# Altium PCB acs_drv_v1_0.PcbDoc (continued)
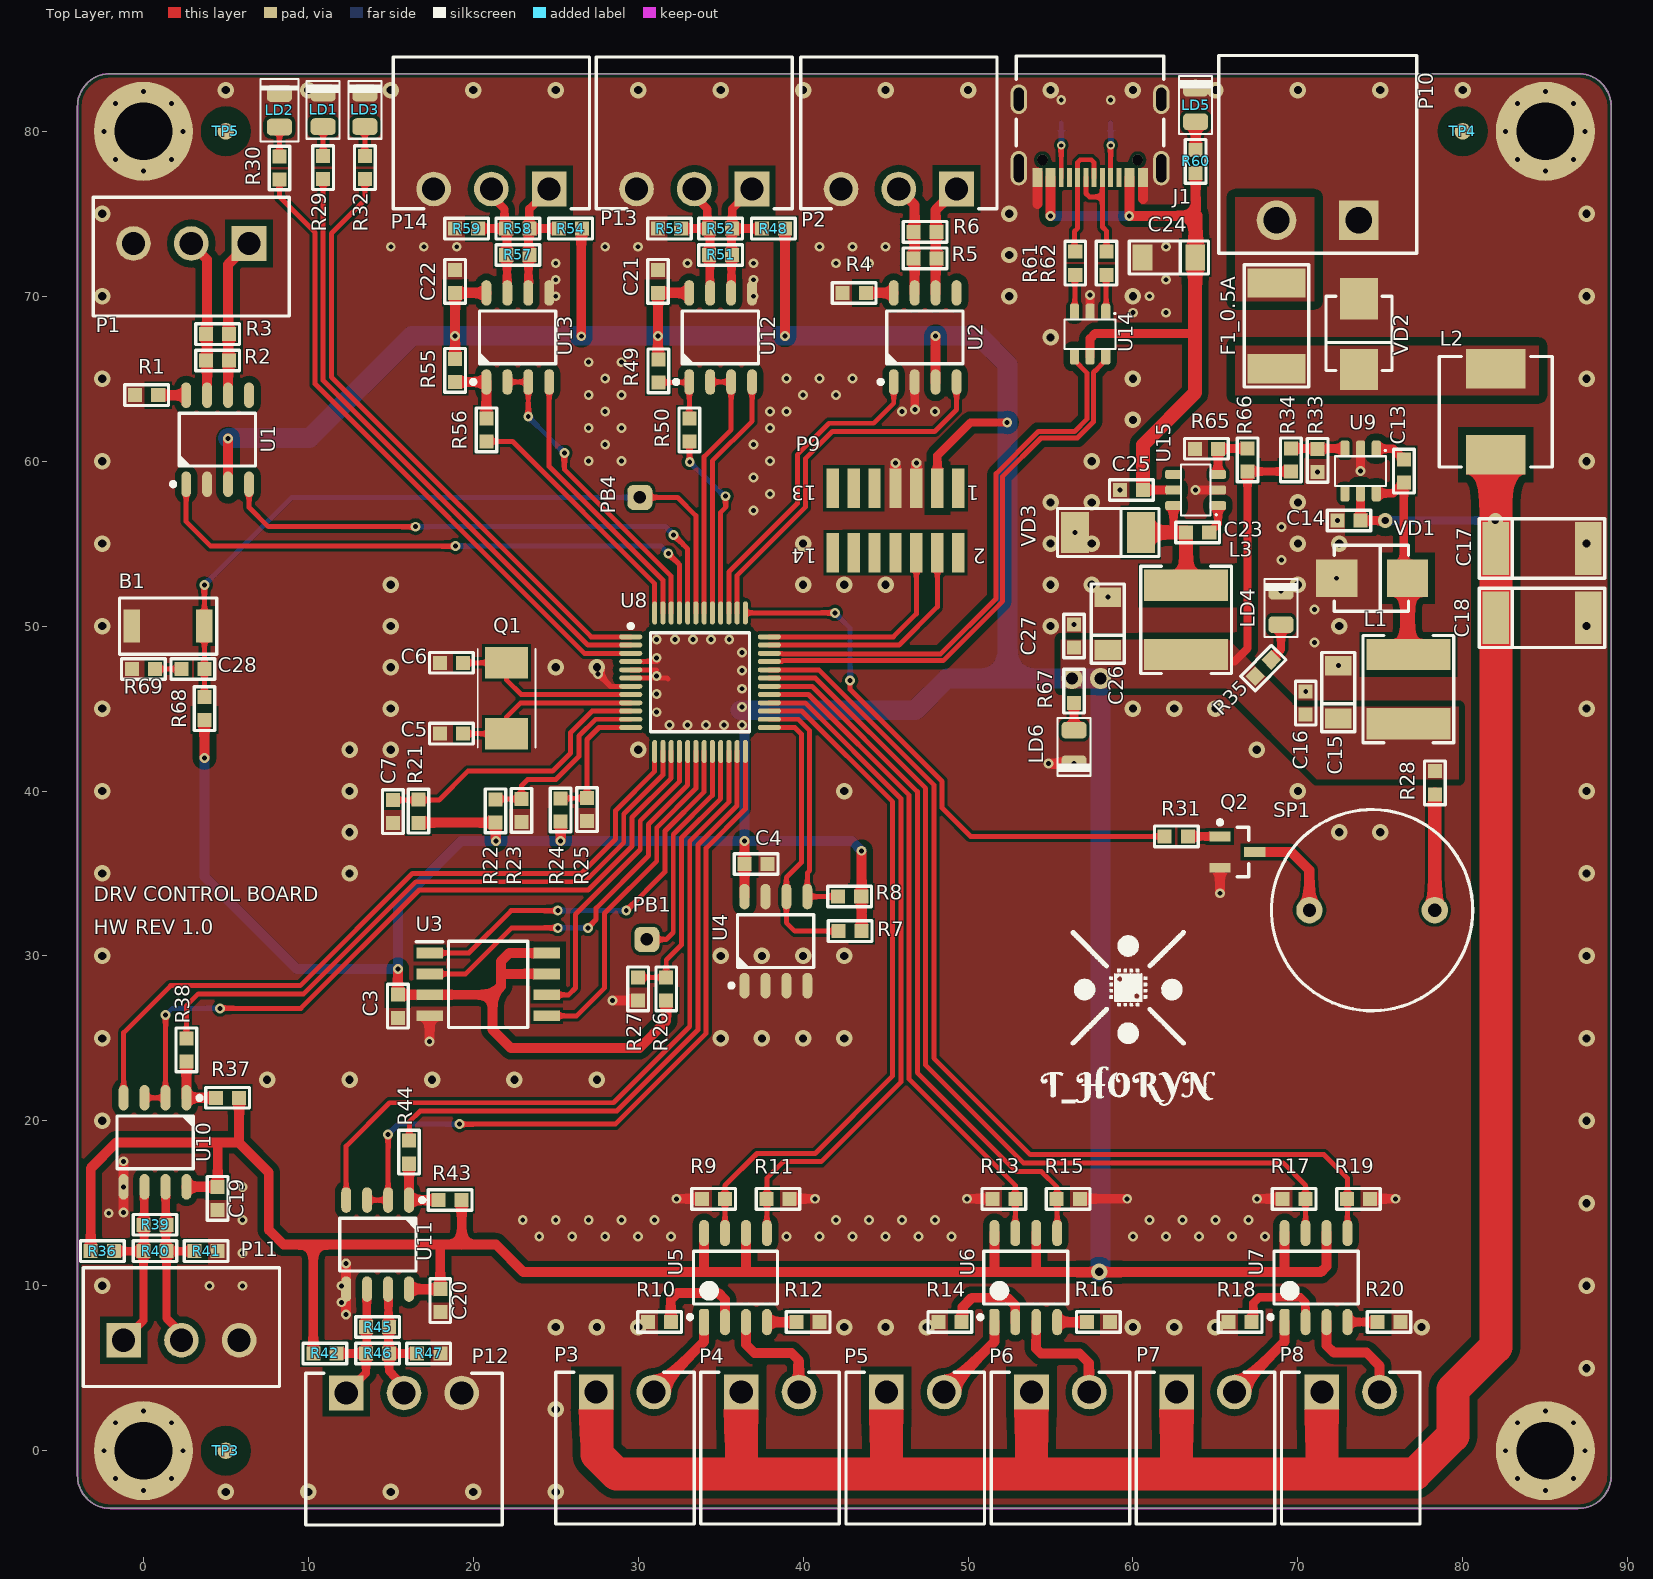
[diagram p0: Top Layer view]
## Footprints (in the part's own frame and the unit in brackets; to place one, negate y for a bottom-side part, rotate by r counter-clockwise, add the part's x,y. Pads: shape width x height; smd on the part's side, far side on the other; paste and mask are expansions set on the pad)
8-SOIC [mm] "pitch 1.27 mm"
  rrect100% 1.55x0.6 smd: 1(-2.7,1.905) 2(-2.7,0.635) 3(-2.7,-0.635) 4(-2.7,-1.905) 5(2.7,-1.905) 6(2.7,-0.635) 7(2.7,0.635) 8(2.7,1.905)
  round 0.7 on Mech1: 28(-2.395,1.8)
  silkscreen extent -2.82,-2.3 1.61,2.82, body extent -3,-2.45 3,2.45, height 1.75
"8SIOC: W25Q128" [mm] "208 mil"
  rect 1.6x0.65 smd: 1(-3.55,1.905) 2(-3.55,0.635) 3(-3.55,-0.635) 4(-3.55,-1.905) 5(3.55,-1.905) 6(3.55,-0.635) 7(3.55,0.635) 8(3.55,1.905)
  silkscreen extent -4.35,-2.62 2.4,2.62, body extent -3.9,-2.62 3.9,2.62, height 1.95
48-LQFP [mm] "QFP, 48-Leads, Body 7x7mm, Pitch 0.5mm, IPC Medium Density"
  oval 1.4x0.3 smd: 1(-4.2,2.75) 2(-4.2,2.25) 3(-4.2,1.75) 4(-4.2,1.25) 5(-4.2,0.75) 6(-4.2,0.25) 7(-4.2,-0.25) 8(-4.2,-0.75) 9(-4.2,-1.25) 10(-4.2,-1.75) 11(-4.2,-2.25) 12(-4.2,-2.75) 25(4.2,-2.75) 26(4.2,-2.25) 27(4.2,-1.75) 28(4.2,-1.25) 29(4.2,-0.75) 30(4.2,-0.25) 31(4.2,0.25) 32(4.2,0.75) 33(4.2,1.25) 34(4.2,1.75) 35(4.2,2.25) 36(4.2,2.75)
  oval 0.3x1.4 smd: 13(-2.75,-4.2) 14(-2.25,-4.2) 15(-1.75,-4.2) 16(-1.25,-4.2) 17(-0.75,-4.2) 18(-0.25,-4.2) 19(0.25,-4.2) 20(0.75,-4.2) 21(1.25,-4.2) 22(1.75,-4.2) 23(2.25,-4.2) 24(2.75,-4.2) 37(2.75,4.2) 38(2.25,4.2) 39(1.75,4.2) 40(1.25,4.2) 41(0.75,4.2) 42(0.25,4.2) 43(-0.25,4.2) 44(-0.75,4.2) 45(-1.25,4.2) 46(-1.75,4.2) 47(-2.25,4.2) 48(-2.75,4.2)
  round 0.5 on Mech1: ""(-4,4)
  silkscreen extent -4.32,-3 3,3.52, body extent -4.5,-4.5 4.5,4.5, height 1.6
62131421021 [mm] "Pin Header, pitch 1.27 mm, SMD, Vertical, dual row, 14p"
  rect 0.75x2.4 smd: 1(-3.81,-1.95) 2(-3.81,1.95) 3(-2.54,-1.95) 4(-2.54,1.95) 5(-1.27,-1.95) 6(-1.27,1.95) 7(0,-1.95) 8(0,1.95) 9(1.27,-1.95) 10(1.27,1.95) 11(2.54,-1.95) 12(2.54,1.95) 13(3.81,-1.95) 14(3.81,1.95)
  body extent -4.44,-2.55 4.44,2.55, height 5.9
629722000214 [mm] "USB TYPE C VERTICAL PLUG"
  rect 0.6x1.14 smd: A1/B12(-3.2,3.605) A4/B9(-2.4,3.605) A9/B4(2.4,3.605) A12/B1(3.2,3.605)
  rect 0.3x1.14 smd: A5(-1.25,3.605) A6(-0.25,3.605) A7(0.25,3.605) A8(1.25,3.605) B5(1.75,3.605) B6(0.75,3.605) B7(-0.75,3.605) B8(-1.75,3.605)
  round 0.65 hole 0.65 unplated: MH1(-2.89,2.535) MH2(2.89,2.535)
  oval 1x2.1 hole 0.6 slot 1.7 at 90 deg: Shell(-4.32,3.035) Shell(4.32,3.035)
  oval 1x1.8 hole 0.6 slot 1.4 at 90 deg: Shell(-4.32,-1.145) Shell(4.32,-1.145)
  silkscreen extent -4.47,-3.76 4.47,1.7, body extent -4.79,-3.76 4.79,3.95, height 3.33
ABM78000MHZD2YT [mm]
  rect 1.9x2.6 smd: 1(-2.15,0) 2(2.15,0)
  silkscreen extent -3,-1.75 3,1.75, body extent -3,-1.75 3,1.75, height 1.4
"BUT: 3x4x2 SMT" [mm]
  rect 1x2 smd: 1(-2.2,0) 2(2.2,0)
  silkscreen extent -2.95,-1.7 2.95,1.7, body extent -2.45,-1.45 2.45,1.45, height 2
"BUZ: D12mm  P7.6mm" [mm]
  round 1.6 hole 0.8: 1(-3.8,0) 2(3.8,0)
  round 0.5 on Top Overlay: ""(-6.7,0)
  round 0.5 on Mech1: ""(-5.4,0)
  silkscreen extent -6.1,-6.1 6.1,6.1, body extent -6,-6 6,6, height 7.55
"CAP: 0603" [mm]
  rect 0.85x0.85 smd: 1(-0.7,0) 2(0.7,0)
  silkscreen extent -1.33,-0.63 1.33,0.63, body extent -0.8,-0.4 0.8,0.4, height 0.3
"CAP: TANTAL-A" [mm]
  rect 1.2x1.6 smd: 1(-1.6,0) 2(1.6,0)
  silkscreen extent -2.4,-1 2.4,1, body extent -1.7,-0.84 1.7,0.84, height 1.71
"CAP: TANTAL-C" [mm]
  rect 1.6x3.2 smd: 1(-2.8,0) 2(2.8,0)
  silkscreen extent -3.8,-1.8 3.8,1.8, body extent -3.05,-1.67 3.05,1.68, height 2.7
"CON: 2P H 3.5mm" [mm]
  rect 2.1x2.1 hole 1.4: 1(-1.75,3.4)
  round 2.1 hole 1.4: 2(1.75,3.4)
  silkscreen extent -4.2,-4.6 4.2,4.6, body extent -4.2,-4.6 4.2,4.6, height 7.3
"CON: 2P H 5mm" [mm]
  rect 2.4x2.4 hole 1.6: 1(-2.5,4)
  round 2.4 hole 1.6: 2(2.5,4)
  silkscreen extent -6,-6 6,6, body extent -6,-6 6,6, height 8.55
"CON: 3P H 3.5mm" [mm]
  rect 2.1x2.1 hole 1.4: 1(-3.5,3.4)
  round 2.1 hole 1.4: 2(0,3.4) 3(3.5,3.4)
  silkscreen extent -5.95,-4.6 5.95,4.6, body extent -5.95,-4.6 5.95,4.6, height 7.3
"CON: 3P V 3.5mm" [mm]
  rect 2.1x2.1 hole 1.4: 1(3.5,0.8)
  round 2.1 hole 1.4: 2(0,0.8) 3(-3.5,0.8)
  silkscreen extent -5.95,-3.6 5.95,3.6, body extent -5.95,-3.6 5.95,3.6, height 9.3
"DIODE: SMA" [mm]
  rect 1.7x2.5 smd: 1(-2,0) 2(2,0)
  round 0.5 on Mech1: ""(2,0.9)
  silkscreen extent -3.05,-1.45 3.1,1.45, body extent -2.5,-1.35 2.5,1.35, height 2.28
"DIODE: SMB" [mm]
  rect 2.5x2.3 smd: 1(-2.15,0) 2(2.15,0)
  silkscreen extent -2.3,-2 2.2,2, body extent -2.75,-1.95 2.75,1.95, height 2.45
"FUSE: 1812" [mm]
  rect 1.78x3.5 smd: 1(-2.6,0) 2(2.6,0)
  silkscreen extent -3.7,-1.95 3.7,1.95, body extent -2.41,-1.61 2.41,1.61, height 1.32
"IND: SRP7028A" [mm]
  rect 2.4x3.6 smd: 1(0,0) 2(5.2,0)
  silkscreen extent -0.75,-3.42 5.95,3.42, body extent -0.85,-3.3 6.05,3.3, height 2.83
IND:VLS6045 [mm]
  rect 1.9x5.1 smd: 1(-2.1,0) 2(2.1,0)
  silkscreen extent -3.25,-2.75 3.25,2.75, body extent -3,-3 3,3, height 4.49
"Led 0805-Green" [mil]
  rrect50% 40x60 smd: 1(-40,0) 2(40,0)
  silkscreen extent -75,-45 75,45, body extent -40,-25 40,25, height 43
"Led 0805-Red" [mil]
  rrect50% 40x60 smd: 1(-40,0) 2(40,0)
  silkscreen extent -69,-40 69,40, body extent -40,-25 40,25, height 43
"Led 0805-Yellow" [mil]
  rrect50% 40x60 smd: 1(-40,0) 2(40,0)
  silkscreen extent -69,-40 69,40, body extent -40,-25 40,25, height 43
"RES: 0603" [mm]
  rect 0.85x0.85 smd: 1(-0.7,0) 2(0.7,0)
  silkscreen extent -1.33,-0.63 1.33,0.63, body extent -0.8,-0.4 0.8,0.4, height 0.44
"SO-8 (MOCD217)" [mm] "SOIC, 8-Leads, Body 5.1x4.2mm (max), Pitch 1.27mm, IPC Medium Density"
  rrect50% 1.6x0.6 smd: 1(-2.7,1.905)
  oval 1.6x0.6 smd: 2(-2.7,0.635) 3(-2.7,-0.635) 4(-2.7,-1.905) 5(2.7,-1.905) 6(2.7,-0.635) 7(2.7,0.635) 8(2.7,1.905)
  silkscreen extent -2.52,-2.55 1.6,2.88, body extent -2.08,-2.57 2.08,2.57, height 3.63
SOT23-6 [mm] "SOT23, 6-Leads, Body 2.9x1.3mm, Pitch 0.95mm, Lead Span 2.5mm"
  rrect50% 0.55x1 smd: 1(-0.95,-1.35) 2(0,-1.35) 3(0.95,-1.35) 4(0.95,1.35) 5(0,1.35) 6(-0.95,1.35)
  silkscreen extent -1.55,-1.3 1.55,0.9, body extent -1.4,-1.22 1.4,1.21, height 1.09
SOT23_N [mm] "SOT23, 3-Leads, Body 2.9x1.3mm, Pitch 0.95mm, Lead Span 2.3mm, IPC Medium Density"
  rect 1.3x0.6 smd: 1(-1.05,0.95) 2(-1.05,-0.95) 3(1.05,0)
  silkscreen extent -1.17,-1.5 0.7,1.92, body extent -0.7,-1.5 0.7,1.5, height 1.1
"TP: TEST POINT DIP" [mil]
  rrect50% 60x60 hole 30: 1(0,0)
"TP: TEST POINT SMD" [mm]
  round 1 smd mask+1: 1(0,0)

## Part data
B1: library part Button
C1 C2 C3 C4 C5 C6 C7 C10 C11 C12 C13 C14 C16 C19 C20 C21 C22 C23 C25 C27 C28: library part C_SMD
C8 C9 C15 C17 C18 C24 C26: library part C_TANTAL
F1_0.5A: library part FUSE
J1: "WR-USB 2.0 Type C, Receptacle, Horizontal, SMT", Manufacturer="Wurth Elektronik", Operating Temperature Max=85°C, Operating Temperature Min=-40°C, Rated Current=5A, Working Voltage=20VAC, Application="USB 2.0", Category="Input/Output Connectors", ComponentLink1Description="Website Link", ComponentLink1URL=https://www.we-online.com/redexpert/article/629722000214?ad, ComponentLink2Description="Datasheet Link", ComponentLink2URL=https://www.we-online.com/redexpert/spec/629722000214?ad, Gender=Receptacle, Interface Type="Type C", Manufacturer Part Number=629722000214, Match Code=WR-USB, Mount="Surface Mount", Number of Pins=16, Number of Ports=1, Orientation=Horizontal, Packaging="Tape and Reel"
L1 L2 L3: library part L_SMD
LD1: library part "Led 0805 KP-2012YC", "Yellow 590nm 8mcd", Price=0.09
LD2: library part "Led 0805 KP-2012SGC", "Green 565nm 15mcd", Price=0.09
LD3 LD4 LD5 LD6: library part "Led 0805 KP-2012EC", "Red  627nm 12mcd", Price=0.09
P9: "WR-PHD Pin Header, SMT, Vertical, pitch 1.27mm, 2 Row, 14P", Contact Resistance=20mO, Manufacturer="Wurth Elektronik", Operating Temperature Max=105°C, Operating Temperature Min=-40°C, Rated Current=1A, Withstanding Voltage=500V, Working Voltage=100V, Category="Board-to-Board Connectors", ComponentLink1Description="Website Link", ComponentLink1URL=https://www.we-online.com/redexpert/article/62131421021?ad, ComponentLink2Description="Datasheet Link", ComponentLink2URL=https://www.we-online.com/redexpert/spec/62131421021?ad, Gender="Pin Header", Manufacturer Part Number=62131421021, Match Code=WR-PHD, Mount="Surface Mount", Number of Pins=14, Number of Rows=2, Orientation=Vertical, Packaging="Tape and Reel", Pitch=1.27mm
PB1 PB4 TP3 TP4 TP5: library part "TEST POINT"
Q1: library part QUARTZ
Q2: "NPN Resistor-equipped Transistor", ComponentLink1Description="Manufacturer Link", ComponentLink1URL=http://www.semiconductors.philips.com/, ComponentLink2Description=Datasheet, ComponentLink2URL=http://www.semiconductors.philips.com/acrobat/datasheets/PDTC143X_SERIES_8.pdf, DatasheetVersion=20-Apr-1999, LatestRevisionDate=12-Dec-2006, LatestRevisionNote="IPC-7351 Footprint Added.", PackageDescription="3-Pin SOT-23 Package 0.95 mm Pitch, 2.3 mm Lead Span", PackageReference=SOT23, PackageVersion=May-1999, Published=17-Sep-2003, Publisher="Altium Limited"
R1 R2 R3 R4 R5 R6 R7 R8 R9 R10 R11 R12 R13 R14 R15 R16 R17 R18 R19 R20 R21 R22 R23 R24 R25 R26 R27 R28 R29 R30 R31 R32 R33 R34 R35 R36 R37 R38 R39 R40 R41 R42 R43 R44 R45 R46 R47 R48 R49 R50 R51 R52 R53 R54 R55 R56 R57 R58 R59 R60 R61 R62 R63 R64 R65 R66 R67 R68 R69: library part R_SMD
SP1: library part BUZZER
U1 U2: library part SN65HVD230
U5 U6 U7: "Dual optocouple"
U8: Manufacturer_Part_Number=stm32g0_lqfp48_t2, Copyright="Copyright (C) 2018 Accelerated Designs. All rights reserved", RefDes=RefDes, Type=DEV, Vendor=STMicroelectronics
U14: library part USB_ESD
VD1 VD2 VD3: library part DIODE_SMD

## Free pads (board coordinates)
  round 6 hole 3.5: 1(0,0) 1(0,80) 1(85,0) 1(85,80)

## Via types
v1: diameter 0.6, hole 0.3, Top Layer to Bottom Layer, tented both sides, 208 vias
v2: diameter 1, hole 0.5, Top Layer to Bottom Layer, tented both sides, 118 vias
v3: diameter 0.9, hole 0.45, Top Layer to Bottom Layer, tented both sides, 2 vias
v4: diameter 1.27, hole 0.711, Top Layer to Bottom Layer, tented both sides, 2 vias
v5: diameter 0.5, hole 0.25, Top Layer to Bottom Layer, tented both sides, 2 vias
v6: diameter 0.6, hole 0.3, Top Layer to Bottom Layer, 1 vias

## Nets (pads, with @x,y where several pads share a name; then routed paths per layer and width w, separated by ;. In a path a pad name is that pad's centre, name@x,y a point inside that pad or via, vN(x,y) a via of type N, cw(c..) or ccw(c..) an arc to the next point about the centre after c; other vN are vias at no path point)
+3.3: C1.2 C2.2 C3.1 C4.1 C8.1 C9.1 C10.2 C11.2 C12.2 C15.1 C16.2 C19.2 C20.2 C21.2 C22.2 C26.1 C27.2 L1.2 L3.2 P9.3 R7.1 R8.1 R21.1 R22.1 R24.1 R26.1 R28.1 R34.2 R35.1 R36.1 R37.1 R42.1 R43.1 R48.1 R49.1 R54.1 R55.1 R66.2 R67.1 R68.2 U1.3 U2.3 U3.3 U3.7 U3.8 U4.8 U5.6 U5.8 U6.6 U6.8 U7.6 U7.8 U8.4 U8.5 U8.6 U10.8 U11.8 U12.8 U13.8 | length 417.1
  Top Layer w0.3: U8.6 31.75,46.85 31.8,46.8 ; U8.5 31.122,47.35 ; U8.4 31.15,47.85 v1@31.2,47.9
  Top Layer w0.5: P9.3 48.14,60.34 50.15,62.35 v1(52.375,62.35) ; 66.15,47.85 66.95,48.65 R66.2 R34.2
  Top Layer w0.6: R36.1 -3.195,17.13 -1.625,18.7 4.525,18.7 ; U10.8 C19.2 4.505,18.68 4.525,18.7 ; v6(3.7,42) R68.2 ; U1.3 v1(5.135,61.385) ; R37.1 5.805,18.73 5.775,18.7 ; 7.6,13.375 7.6,16.875 5.775,18.7 ; 7.613,13.387 8.5,12.5 10.3,12.5 ; R42.1 10.3,12.5 ; v1(15.425,29.2) C3.1 21.175,27.65 ; U11.8 C20.2 18,12.45 18.05,12.5 ; R21.1 16.688,38.087 21.338,38.087 R22.1 21.375,38.075 v1(21.375,36.975) ; R55.1 v1(18.9,67.6) C22.2 U13.8 ; R43.1 19.3,12.5 ; U3.7 21.87,28.91 21.675,29.105 ; U3.8 22.18,30.18 21.675,29.675 21.675,29.105 ; v1(25.3,36.975) R24.1 ; v1(26.55,67.575) 26.55,74.05 R54.1 ; R49.1@31.2,66.2 v1(31.2,67.6) C21.2 U12.8 ; R26.1 31.7,26.05 30.075,24.425 22.275,24.425 21.175,25.525 21.175,27.65 ; U5.8 33.995,10.92 33.9,10.825 ; U4.8 v1(36.445,36.97) v1@36.45,36.975 ; U5.6 36.535,10.865 36.575,10.825 ; v1(38.9,67.6) R48.1 ; R7.1 v1@43.55,36.275 ; U2.3 v1(48.035,67.585) ; U6.8 51.595,10.905 51.675,10.825 ; U6.6 54.135,10.835 54.125,10.825 ; U7.8 69.195,10.945 69.075,10.825 ; U7.6 71.735,11.176 71.384,10.825 69.075,10.825 ; 4.525,18.7 5.775,18.7 ; 10.3,12.5 18.05,12.5 ; 18.05,12.5 19.3,12.5 ; 19.3,12.5 21.375,12.5 23.05,10.825 33.9,10.825 ; 21.175,27.65 21.675,28.15 21.675,29.105 ; 33.9,10.825 36.575,10.825 ; 36.575,10.825 51.675,10.825 ; 51.675,10.825 54.125,10.825 ; 54.125,10.825 69.075,10.825
  Bottom Layer w0.6: v6(3.7,42) 3.7,34.8 9.3,29.2 v1(15.425,29.2) 15.425,33.125 19.27,36.97 v1(36.445,36.97) ; v1(36.3,44) 36.445,43.855 v1(36.445,36.97) ; v1(43.55,36.375) 42.955,36.97 v1(36.445,36.97)
  Bottom Layer w1.2: v1@5.135,61.4 10.075,61.4 16.275,67.6 50.65,67.6 52.4,65.85 52.4,46.825 ; v1@36.2,44.9 46.8,44.9 48.725,46.825 52.4,46.825 ; v2(57.95,10.85) 58.025,10.925 v4(58.025,46.825) v4(56.3,46.825) 52.4,46.825
  other v1: 31.9,44 33,44 34.1,44 35.2,44 31.122,44.778 36.3,45.1 31.122,45.878 36.3,46.2 31.122,46.978 36.3,47.3 31.122,48.078 36.3,48.4 31.122,49.178 32.222,49.178 33.322,49.178 34.422,49.178 35.522,49.178
A_drv_az: P11.1 R36.2 R39.1 R40.1 U10.6 | length 11.6
  Top Layer w0.5: R36.2 R40.1 ; P11.1 0.005,7.9 R40.1 ; U10.6 0.051,15.981 0.051,12.146 R40.1
A_drv_el: P12.1 R42.2 R45.1 R46.1 U11.6 | length 8.6
  Top Layer w0.5: R42.2 R46.1 ; P12.1 13.5,4.7 R46.1 ; U11.6 13.546,9.781 13.546,5.946 R46.1
A_drv_pol: P13.1 R48.2 R51.1 R52.1 U12.6 | length 8.6
  Top Layer w0.5: U12.6 35.654,70.219 35.654,74.054 R52.1 ; P13.1 35.7,75.3 R52.1 ; R48.2 R52.1
A_rs_res: P14.1 R54.2 R57.1 R58.1 U13.6 | length 8.6
  Top Layer w0.5: U13.6 23.354,70.219 23.354,74.054 R58.1 ; P14.1 23.4,75.3 R58.1 ; R54.2 R58.1
ADDR_0: R22.2 R23.1 U8.11 | length 11.4
  Top Layer w0.3: R22.2 21.363,39.512 22.913,39.512 R23.1 22.925,40.325 23.3,40.7 25.007,40.7 26.4,42.093 26.4,43.332 27.418,44.35 U8.11
ADDR_1: R24.2 R25.1 U8.12 | length 8.1
  Top Layer w0.3: R24.2 25.313,39.562 26.888,39.562 R25.1 26.9,43.125 27.625,43.85 U8.12
ADDR_2: R26.2 R27.1 U8.21 | length 16.8
  Top Layer w0.3: R27.1 R26.2 31.7,29.75 32.625,30.675 32.625,37.157 35,39.532 U8.21
B_drv_az: P11.2 R39.2 R40.2 R41.1 U10.7 | length 11.4
  Top Layer w0.5: U10.7 1.359,15.981 1.359,12.146 R40.2 ; P11.2 2.305,7.133 1.405,8.033 R40.2 ; R41.1 R40.2
B_drv_el: P12.2 R45.2 R46.2 R47.1 U11.7 | length 8.4
  Top Layer w0.5: U11.7 14.867,9.767 14.867,5.933 R46.2 ; P12.2 15.8,3.933 14.9,4.833 R46.2 ; R47.1 R46.2
B_drv_pol: P13.2 R51.2 R52.2 R53.1 U12.7 | length 8.4
  Top Layer w0.5: R53.1 R52.2 ; P13.2 33.4,76.067 34.192,75.275 34.192,74.208 R52.2 ; U12.7 34.346,70.219 34.346,74.054 R52.2
B_rs_res: P14.2 R57.2 R58.2 R59.1 U13.7 | length 8.4
  Top Layer w0.5: R59.1 R58.2 ; P14.2 21.1,76.067 21.892,75.275 21.892,74.208 R58.2 ; U13.7 22.046,70.219 22.046,74.054 R58.2
BOOT_BTN: B1.1 C28.2 PB4.1 R68.1 U8.43 | length 45.2
  Top Layer w0.3: R68.1 C28.2 B1.1 v1(3.7,52.5) ; PB4.1 32.4,57.8 33.5,56.7 U8.43
  Bottom Layer w0.3: v1(3.7,52.5) 9,57.8 PB4.1
BUZZ: R31.2 U8.37 | length 34.2
  Top Layer w0.3: U8.37 v1(41.925,50.8) ; v1(42.85,46.7) 42.85,46.157 48.425,40.582 48.425,38.975 50.15,37.25 R31.2
  Bottom Layer w0.3: v1(41.925,50.8) 42.85,49.875 v1(42.85,46.7)
CAN1_RX: U2.4 U8.38 | length 23.1
  Top Layer w0.3: U8.38 36,53.075 40.15,57.225 40.15,60.175 41.775,61.8 47.975,61.8 49.305,63.13 U2.4
CAN1_TX: U2.1 U8.39 | length 19.7
  Top Layer w0.3: U8.39 35.5,53.282 39.65,57.432 39.65,60.382 41.568,62.3 44.275,62.3 45.495,63.52 U2.1
CAN2_RX: U1.4 U8.44 | length 32.9
  Top Layer w0.3: U1.4 6.405,57.195 7.575,56.025 v1(16.5,56.025) ; v1(32.15,55.525) 33,54.675 U8.44
  Bottom Layer w0.3: v1(16.5,56.025) 31.65,56.025 v1(32.15,55.525)
CAN2_TX: U1.1 U8.45 | length 36.2
  Top Layer w0.3: U1.1 2.595,56.33 4.075,54.85 v1(18.925,54.85) ; v1(31.825,54.4) 32.5,53.725 U8.45
  Bottom Layer w0.3: v1(18.925,54.85) 31.375,54.85 v1(31.825,54.4)
CANH_can_res: P1.2 R2.1 R3.1 U1.7 | length 9.6
  Top Layer w0.6: P1.2 3.865,72.235 U1.7
CANH_connection: P2.2 R5.1 R6.1 U2.7 | length 6.7
  Top Layer w0.6: P2.2 46.765,75.535 U2.7
CANL_can_res: P1.1 R2.2 R3.2 U1.6 | length 9.7
  Top Layer w0.6: U1.6 5.135,71.935 P1.1
CANL_connection: P2.1 R5.2 R6.2 U2.6 | length 6.8
  Top Layer w0.6: U2.6 48.035,75.235 P2.1
CS_drv_az: U8.15 U10.2 U10.3 | length 45.5
  Top Layer w0.3: U10.3 U10.2 1.34,26.415 v1(1.35,26.425) ; v1(4.65,26.825) 9.55,26.825 16.725,34 26.964,34 29.625,36.661 29.625,38.4 32,40.775 U8.15
  Bottom Layer w0.3: v1(1.35,26.425) 1.75,26.825 v1(4.65,26.825)
CS_drv_el: U8.24 U11.2 U11.3 | length 45.1
  Top Layer w0.3: U11.3 U11.2 v1(14.835,19.185) ; v1(19.175,19.8) 28.614,19.8 34.125,25.311 34.125,36.536 36.5,38.911 U8.24
  Bottom Layer w0.3: v1@14.85,19.2 15.45,19.8 v1(19.175,19.8)
CS_drv_pol: U8.42 U12.2 U12.3 | length 15.9
  Top Layer w0.3: U8.42 34,60.275 35.635,61.91 U12.3 U12.2
CS_rs_res: U8.46 U13.2 U13.3 | length 18.9
  Top Layer w0.3: U13.2 U13.3 v1(23.335,62.715) ; v1(25.525,60.5) 25.525,59.5 32,53.025 U8.46
  Bottom Layer w0.3: v1(23.335,62.715) 23.335,62.69 v1(25.525,60.5)
D_N: U8.33 U14.6 | length 34.4
  Top Layer w0.3: U8.33 38.707,47.85 38.757,47.9 48.491,47.9 52.1,51.509 52.1,59.075 54.425,61.4 56.625,61.4 57.6,62.375 57.6,65.375 57.725,65.5 57.739,65.5 58.025,65.786 58.025,65.8 58.35,66.125 U14.6
D_P: U8.34 U14.4 | length 33.7
  Top Layer w0.3: U8.34 38.707,48.35 38.757,48.3 48.325,48.3 51.7,51.675 51.7,59.241 54.259,61.8 56.459,61.8 57.2,62.541 57.2,65.361 56.775,65.786 56.775,65.8 56.45,66.125 U14.4
Fid_0: TP3.1
Fid_1: TP4.1
Fid_2: TP5.1
GND: B1.2 C1.1 C2.1 C3.2 C4.2 C5.1 C6.1 C7.1 C8.2 C9.2 C10.1 C11.1 C12.1 C14.1 C15.2 C16.1 C17.2 C18.2 C19.1 C20.1 C21.1 C22.1 C24.2 C25.1 C26.2 C27.1 J1.A1/B12 J1.A12/B1 J1.Shell LD1.2 LD2.2 LD3.2 LD4.2 LD5.2 LD6.2 P1.3 P2.3 P9.5 P9.7 P10.1 P11.3 P12.3 P13.3 P14.3 pad.1 Q2.2 R1.1 R4.1 R9.2 R10.2 R11.2 R12.2 R13.2 R14.2 R15.2 R16.2 R17.2 R18.2 R19.2 R20.2 R23.2 R25.2 R27.2 R33.1 R41.2 R47.2 R53.2 R59.2 R63.2 R64.2 R65.1 R69.1 U1.2 U2.2 U3.4 U4.1 U4.2 U4.3 U4.4 U4.7 U8.7 U9.2 U10.5 U11.5 U12.5 U13.5 U14.2 U15.2 VD1.1 VD2.1 VD3.1 | length 37.3
  Top Layer w0.3: v1(27.571,47.1) 28.321,46.35 U8.7
  Top Layer w0.5: U2.2 46.765,63.135 v1(46.775,63.125)
  Top Layer w0.55: U14.2 v1(57.4,70.075) ; v1(63.8,58.25) U15.2 ; v1(73.8,59.4) U9.2
  Top Layer w0.6: v1(-1.2,14.45) v1(-1.2,16) v1(-1.2,17.55) ; v1(12.295,8.25) U11.5 v1(12.295,11.35) ; v1(17.35,24.82) U3.4 ; v1(28.45,27.3) R27.2 ; v1(32.325,15.275) R9.2 ; R11.2 v1(40.725,15.275) ; P9.7 v1(45.6,59.9) ; P9.5 v1(46.87,59.9) ; v1(49.925,15.275) R13.2 ; 54.2,75.6 J1.A12/B1 J1.A12/B1@54.2,77.5 ; v1(54.875,41.659) v1(56.425,41.659) ; R15.2 v1(59.65,15.275) ; 60.6,75.9 60.6,76 J1.A1/B12 J1.A1/B12@60.6,77.5 ; v1(65.275,33.8) Q2.2 ; v1(67.525,15.275) R17.2 ; R19.2 v1(75.925,15.275)
  other v1: 0,-2.4 85,-2.4 -1.697,-1.697 1.697,-1.697 83.303,-1.697 86.697,-1.697 -2.4,0 2.4,0 82.6,0 87.4,0 -1.697,1.697 1.697,1.697 83.303,1.697 86.697,1.697 0,2.4 85,2.4 12,9 4,10 6,10 12,10 6,12 24,13 26,13 28,13 30,13 32,13 39,13 41,13 43,13 45,13 47,13 49,13 60,13 62,13 64,13 66,13 68,13 6,14 23,14 25,14 27,14 29,14 31,14 42,14 44,14 46,14 48,14 61,14 63,14 65,14 67,14 -2.1,14.4 6,16 70.475,46.025 72.45,47.6 71,49 56.425,50.1 71,51 58.475,51.75 68.975,52.116 72.35,52.9 69,54 56.475,55.675 69,56 72.4,56.4 37,57 38,58 59.2,58.25 37,59 71.2,59.35 27,60 29,60 38,60 28,61 37,61 27,62 29,62 38,62 28,63 38,63 39,63 46,63 48,63 27,64 29,64 40,64 42,64 28,65 39,65 41,65 43,65 27,66 29,66 60,69 62,69 25,70 37,70 61,70 25,71 37,71 62,71 25,72 33,72 37,72 42,72 44,72 15,73 17,73 19,73 28,73 30,73 41,73 43,73 45,73 62,73 0,77.6 85,77.6 -1.697,78.303 1.697,78.303 83.303,78.303 86.697,78.303 -2.4,80 2.4,80 82.6,80 87.4,80 -1.697,81.697 1.697,81.697 83.303,81.697 86.697,81.697 55.65,81.9 58.65,81.9 0,82.4 85,82.4 63.8,82.832
  other v2: 5,-2.5 10,-2.5 15,-2.5 20,-2.5 25,-2.5 25,2.5 87.5,5 25,7.5 27.5,7.5 30,7.5 42.5,7.5 45,7.5 47.5,7.5 60,7.5 62.5,7.5 65,7.5 77.5,7.5 -2.5,10 87.5,10 87.5,15 -2.5,20 87.5,20 7.5,22.5 12.5,22.5 17.5,22.5 22.5,22.5 27.5,22.5 -2.5,25 35,25 37.5,25 40,25 42.5,25 87.5,25 -2.5,30 35,30 37.5,30 40,30 42.5,30 87.5,30 -2.5,35 12.5,35 87.5,35 12.5,37.5 72.5,37.5 75,37.5 -2.5,40 12.5,40 42.5,40 70,40 87.5,40 12.5,42.5 15,42.5 30,42.5 67.5,42.5 -2.5,45 15,45 60,45 62.5,45 65,45 87.5,45 15,47.5 25,47.5 27.5,47.5 -2.5,50 15,50 55,50 72.5,50 87.5,50 15,52.5 40,52.5 42.5,52.5 45,52.5 55,52.5 57.5,52.5 70,52.5 -2.5,55 40,55 55,55 57.5,55 70,55 72.5,55 87.5,55 55,57.5 57.5,57.5 70,57.5 -2.5,60 57.5,60 87.5,60 60,62.5 -2.5,65 60,65 87.5,65 55,67.5 -2.5,70 52.5,70 60,70 87.5,70 52.5,72.5 -2.5,75 52.5,75 87.5,75 5,82.5 10,82.5 15,82.5 20,82.5 25,82.5 30,82.5 35,82.5 40,82.5 45,82.5 50,82.5 55,82.5 60,82.5 65,82.5 70,82.5 75,82.5 80,82.5
I2C_SCL: R7.2 U4.6 U8.25 | length 17.3
  Top Layer w0.3: U8.25 39.5,43.85 39.9,43.45 39.9,35.675 38.985,34.76 U4.6 38.985,32.015 39.5,31.5 R7.2
I2C_SDA: R8.2 U4.5 U8.26 | length 14.7
  Top Layer w0.3: U8.26 39.707,44.35 40.4,43.657 40.4,35.175 40.255,35.03 U4.5 R8.2
LED_ERROR: R32.2 U8.1 | length 37.5
  Top Layer w0.3: R32.2 13.425,75.825 13.287,75.687 11.4,73.8 11.4,65.1 27.15,49.35 U8.1
LED_OK: R30.2 U8.3 | length 39.3
  Top Layer w0.3: R30.2@8.2,77.1 R30.2@8.25,77.05 ; R30.2 R30.2@8.25,77.05 ; U8.3 26.736,48.35 10.4,64.686 10.4,73.875 8.25,76.025 R30.2@8.25,77.05
LED_PROCESS: R29.2 U8.2 | length 37.5
  Top Layer w0.3: R29.2 10.9,64.893 26.943,48.85 U8.2
LS0: R9.1 U5.7 U8.27 | length 42.2
  Top Layer w0.3: U5.7 35.265,16.09 37.2,18.025 40.725,18.025 45.425,22.725 45.425,39.339 39.914,44.85 U8.27
LS0_ls_el: R13.1 U6.7 U8.29 | length 40.2
  Top Layer w0.3: U8.29 40.328,45.85 46.425,39.753 46.425,22.53 52.865,16.09 U6.7
LS0_ls_pol: R17.1 U7.7 U8.31 | length 58
  Top Layer w0.3: U8.31 40.743,46.85 47.425,40.168 47.425,23.382 53.357,17.45 69.105,17.45 70.465,16.09 U7.7
LS1: R11.1 U5.5 U8.28 | length 41.4
  Top Layer w0.3: U5.5 37.805,16.53 38.8,17.525 41.1,17.525 45.925,22.35 45.925,39.546 40.121,45.35 U8.28
LS1_ls_el: R15.1 U6.5 U8.30 | length 42.8
  Top Layer w0.3: U8.30 40.536,46.35 46.925,39.961 46.925,22.925 52.925,16.925 54.45,16.925 55.405,15.97 U6.5
LS1_ls_pol: R19.1 U7.5 U8.32 | length 60.9
  Top Layer w0.3: U8.32 40.95,47.35 47.925,40.375 47.925,23.8 53.775,17.95 71.585,17.95 73.005,16.53 U7.5
NetC5_2: C5.2 Q1.2 U8.9 | length 11.6
  Top Layer w0.3: C5.2 Q1.2 22.025,44.5 22.875,45.35 U8.9
NetC6_2: C6.2 Q1.1 U8.8 | length 11.6
  Top Layer w0.3: C6.2 Q1.1 22.025,46.725 22.9,45.85 U8.8
NetC7_2: C7.2 R21.2 U8.10 | length 17.4
  Top Layer w0.3: C7.2 17.925,39.45 19.675,41.2 24.8,41.2 25.9,42.3 25.9,43.539 27.211,44.85 U8.10
NetC13_1: C13.1 L1.1 U9.6 VD1.2 | length 12.5
  Top Layer w0.5: U9.6 75.775,58.05 C13.1 76.425,53.125 VD1.2
  Top Layer w0.9: L1.1@76.45,48.3 76.65,48.5 VD1.2
NetC13_2: C13.2 U9.1 | length 1.9
  Top Layer w0.5: U9.1 75.775,60.75 C13.2
NetC23_1: C23.1 L3.1 U15.6 VD3.2 | length 8.2
  Top Layer w0.5: U15.6 62.45,55.85 63.05,55.85 C23.1
  Top Layer w0.85: VD3.2 C23.1 L3.1
NetC23_2: C23.2 U15.1 | length 1.8
  Top Layer w0.5: C23.2 65.15,56.2 U15.1
NetC28_1: C28.1 R69.2 | length 1.6
  Top Layer w0.3: R69.2 C28.1
NetF1_2: F1_0.5A.2 P10.2
NetJ1_A5: J1.A5 R64.1 | length 3.3
  Top Layer w0.3: J1.A5 v5(58.65,79.15)
  Bottom Layer w0.3: v5(58.65,79.15) R64.1
NetJ1_A6: J1.A6 J1.B6 R61.2 | length 7.6
  Top Layer w0.3: R61.2 56.45,72.75 56.45,73.925 56.65,74.125 J1.B6 56.65,78.125 56.8,78.275 57.475,78.275 57.65,78.1 J1.A6
NetJ1_A7: J1.A7 J1.B7 R62.2 | length 6.7
  Top Layer w0.3: J1.A7 57.15,76.225 57.35,76.025 58.15,76.025 ; J1.B7 58.15,76.025 ; R62.2 58.4,73.95 58.15,74.2 58.15,76.025
NetJ1_B5: J1.B5 R63.1 | length 3.3
  Top Layer w0.3: J1.B5 v5(55.65,79.15)
  Bottom Layer w0.3: v5(55.65,79.15) R63.1
NetLD1_1: LD1.1 R29.1 | length 1.8
  Top Layer w0.3: R29.1 LD1.1
NetLD2_1: LD2.1 R30.1 | length 1.8
  Top Layer w0.3: R30.1 LD2.1
NetLD3_1: LD3.1 R32.1 | length 1.8
  Top Layer w0.3: R32.1 LD3.1
NetLD4_1: LD4.1 R35.2 | length 2.4
  Top Layer w0.5: R35.2 68.395,47.995 68.975,48.575 LD4.1
NetLD5_1: LD5.1 R60.1 | length 1.7
  Top Layer w0.6: R60.1 LD5.1
NetLD6_1: LD6.1 R67.2 | length 1.7
  Top Layer w0.5: LD6.1 R67.2
NetP3_2: P3.2 U5.1 | length 5.5
  Top Layer w0.6: P3.2 33.995,6.605 U5.1
NetP4_2: P4.2 U5.3 | length 6.9
  Top Layer w0.6: U5.3 36.535,6.44 37.05,5.925 39.299,5.925 39.725,5.499 39.725,3.584 P4.2
NetP5_2: P5.2 U6.1 | length 5.5
  Top Layer w0.6: P5.2 51.595,6.605 U6.1
NetP6_2: P6.2 U6.3 | length 6.9
  Top Layer w0.6: U6.3 54.135,6.707 54.125,6.697 54.125,6.2 54.425,5.9 56.75,5.9 57.325,5.325 57.325,3.584 P6.2
NetP7_2: P7.2 U7.1 | length 5.5
  Top Layer w0.6: P7.2 69.195,6.605 U7.1
NetP8_2: P8.2 U7.3 | length 6.7
  Top Layer w0.6: U7.3 71.735,6.39 72.175,5.95 74.15,5.95 74.95,5.15 P8.2
NetQ2_1: Q2.1 R31.1 | length 2
  Top Layer w0.5: R31.1 Q2.1
NetQ2_3: Q2.3 SP1.2 | length 6.2
  Top Layer w0.6: Q2.3 69.6,36.3 70.7,35.2 SP1.2
NetR1_2: R1.2 U1.8 | length 1.7
  Top Layer w0.6: R1.2 U1.8
NetR4_2: R4.2 U2.8 | length 1.7
  Top Layer w0.6: R4.2 U2.8
NetR10_1: R10.1 U5.2 | length 6.4
  Top Layer w0.6: R10.1 31.975,7.825 31.975,9.175 32.375,9.575 34.85,9.575 35.265,9.16 U5.2
NetR12_1: R12.1 U5.4 | length 1.8
  Top Layer w0.6: U5.4 R12.1
NetR14_1: R14.1 U6.2 | length 5.6
  Top Layer w0.6: R14.1 49.675,7.875 49.675,8.725 50.225,9.275 52.389,9.275 52.865,8.799 U6.2
NetR16_1: R16.1 U6.4 | length 1.8
  Top Layer w0.6: U6.4 R16.1
NetR18_1: R18.1 U7.2 | length 5.8
  Top Layer w0.5: R18.1 67.3,7.9 67.3,8.95 67.65,9.3 70.153,9.3 70.446,9.007 70.446,7.819 U7.2
NetR20_1: R20.1 U7.4 | length 1.8
  Top Layer w0.5: U7.4 R20.1
NetR28_2: R28.2 SP1.1 | length 7
  Top Layer w0.8: SP1.1 R28.2
NetR33_2: R33.2 R34.1 U9.3 | length 3.3
  Top Layer w0.5: R34.1 69.587,60.762 72.837,60.762 U9.3
NetR37_2: R37.2 R38.2 U10.1 | length 4
  Top Layer w0.6: R38.2 2.61,23.595 U10.1 R37.2
NetR43_2: R43.2 R44.2 U11.1 | length 4
  Top Layer w0.6: R44.2 16.105,17.395 U11.1 R43.2
NetR49_2: R49.2 R50.2 U12.1 | length 4.1
  Top Layer w0.3: R49.2 33.07,64.775 U12.1 33.098,64.798 33.098,62.603 R50.2
NetR55_2: R55.2 R56.2 U13.1 | length 4.1
  Top Layer w0.6: R55.2 U13.1 20.795,62.605 R56.2
NetR65_2: R65.2 R66.1 U15.3 | length 3.4
  Top Layer w0.5: U15.3 R65.2 65.162,60.762 66.937,60.762 R66.1
PA2: U8.13 U10.4 | length 44.9
  Top Layer w0.3: U10.4 -1.2,25.35 1.65,28.2 9.511,28.2 16.311,35 26.55,35 28.625,37.075 28.625,38.814 31,41.189 U8.13
PA3: R38.1 U8.14 | length 39.1
  Top Layer w0.3: R38.1 2.605,26.98 3.325,27.7 9.718,27.7 16.518,34.5 26.757,34.5 29.125,36.868 29.125,38.607 31.5,40.982 U8.14
PA5: U3.6 U8.16 | length 18.9
  Top Layer w0.3: U3.6 25.787,27.64 26.2,28.053 26.2,32.529 30.125,36.454 30.125,38.193 32.5,40.568 U8.16
PA6: U3.2 U8.17 | length 24
  Top Layer w0.3: U3.2 19.535,28.91 22.325,31.7 v1(25.125,31.7) ; v1(26.95,31.7) 27.45,32.2 27.45,32.9 30.625,36.075 30.625,37.986 33,40.361 U8.17
  Bottom Layer w0.3: v1(25.125,31.7) v1(26.95,31.7)
PA7: U3.5 U8.18 | length 20.8
  Top Layer w0.3: U3.5 26.27,26.37 27.95,28.05 27.95,32.575 31.125,35.75 31.125,37.778 33.5,40.153 U8.18
PA13: P9.4 U8.35 | length 14.4
  Top Layer w0.3: U8.35 45.825,48.85 48.14,51.165 P9.4
PA14: P9.6 U8.36 | length 13.2
  Top Layer w0.3: U8.36 45.475,49.35 46.87,50.745 P9.6
PB0: U3.1 U8.19 | length 24.6
  Top Layer w0.3: U3.1 19.73,30.18 22.3,32.75 v1(25.125,32.75) ; v1(29.275,32.75) 31.625,35.1 31.625,37.571 34,39.946 U8.19
  Bottom Layer w0.3: v1(25.125,32.75) v1(29.275,32.75)
PB1: PB1.1 U8.20 | length 13.7
  Top Layer w0.3: PB1.1 31.7,31 32.125,31.425 32.125,37.364 34.5,39.739 U8.20
PB8: U8.47 U13.4 | length 16.9
  Top Layer w0.3: U13.4 24.605,59.677 31.5,52.782 U8.47
PB9: R56.1 U8.48 | length 15.5
  Top Layer w0.3: R56.1 22.375,61.2 31,52.575 U8.48
PB10: U8.22 U11.4 | length 44.8
  Top Layer w0.3: U11.4 12.295,18.47 14.925,21.1 28.5,21.1 33.125,25.725 33.125,36.95 35.5,39.325 U8.22
PB11: R44.1 U8.23 | length 38.8
  Top Layer w0.3: R44.1 16.125,18.825 16.125,19.95 16.775,20.6 28.707,20.6 33.625,25.518 33.625,36.743 36,39.118 U8.23
PD2: R50.1 U8.40 | length 11.5
  Top Layer w0.3: R50.1 33.113,61.187 33.113,59.962 v1(33.125,59.95) ; U8.40 35,56.9 35.3,57.2 v1(35.3,57.875)
  Bottom Layer w0.3: v1(33.125,59.95) 35.2,57.875 v1(35.3,57.875)
PD3: U8.41 U12.4 | length 15
  Top Layer w0.3: U8.41 34.5,60.025 36.905,62.43 U12.4
USB_D+: R61.1 U14.3 | length 2.3
  Top Layer w0.3: U14.3 56.475,69.075 56.475,71.275 R61.1
USB_D-: R62.1 U14.1 | length 2.3
  Top Layer w0.3: U14.1 58.375,69.075 58.375,71.275 R62.1
VBUS: C24.1 C25.2 J1.A4/B9 J1.A9/B4 R60.2 U14.5 U15.5 | length 43.5
  Top Layer w0.5: C25.2 U15.5
  Top Layer w0.55: U14.5 57.4,67.428 57.722,67.75 63.725,67.75 63.775,67.8
  Top Layer w0.6: v1(55,74.875) J1.A9/B4 ; J1.A4/B9 59.8,74.9 v1(59.775,74.875) 63.8,74.875 R60.2
  Top Layer w0.85: C25.2 60.6,60.975 63.775,64.15 63.775,67.8 C24.1 63.8,72.375 63.8,74.875
  Bottom Layer w0.6: v1(55,74.875) v1(59.775,74.875)
VCC: F1_0.5A.1 L2.1 VD2.2
Vin: C14.2 C17.1 C18.1 L2.2 P3.1 P4.1 P5.1 P6.1 P7.1 P8.1 U9.5 | length 152.6
  Top Layer w0.5: U9.5 C14.2 v3(75.3,56.4)
  Top Layer w2: P3.1 27.5,3.51 27.5,-0.225 28.675,-1.4 36.075,-1.4 ; P4.1 36.25,-1.225 36.075,-1.4 ; P5.1 45.05,-1.375 45.075,-1.4 ; P6.1 53.85,-1.175 54.075,-1.4 ; P7.1 62.65,-1.275 62.775,-1.4 ; P8.1 71.45,-1.225 71.625,-1.4 ; L2.2 82,55.4 C18.1 82,6.3 79.4,3.7 79.4,0.9 77.1,-1.4 71.625,-1.4 ; 36.075,-1.4 45.075,-1.4 ; 45.075,-1.4 54.075,-1.4 ; 54.075,-1.4 62.775,-1.4 ; 62.775,-1.4 71.625,-1.4
  Bottom Layer w0.5: v3(75.3,56.4) v3(81.975,56.4)
pads on no net: J1.A8 J1.B8 J1.MH1 J1.MH2 P9.1 P9.2 P9.8 P9.9 P9.10 P9.11 P9.12 P9.13 P9.14 SP1. U1.5 U1.28 U2.5 U2.28 U4.28 U8. U9.4 U10.28 U11.28 U12.28 U13.28 U15.4 VD3.

## Polygon pours and split planes (outlines as drawn)
GND on Top Layer "Top Layer-GND" (solid, remove dead copper, pour order 9): -4.3,-1.8 -4.3,81.8 cw(c-2.3,81.8) -2.3,83.8 87.3,83.8 cw(c87.3,81.8) 89.3,81.8 89.3,-1.8 cw(c87.3,-1.8) 87.3,-3.8 -2.3,-3.8 cw(c-2.3,-1.8)
+3.3 on Top Layer "TOP_MCU_VDD" (solid, pour order 0): 30.8,43.6 30.8,49.6 36.7,49.6 36.7,43.6
+3.3 on Top Layer "Top Layer-+3.3" (solid, pour order 4): 55.625,49.175 65.8,49.175 69.875,45.1 79.75,45.1 79.75,40.725 71.15,40.725 65.65,46.225 55.625,46.225
no net on Top Layer "Top Layer-No Net" (solid, pour order 12): 55.625,49.175
VCC on Top Layer "Top Layer-VCC" (solid, pour order 8): 84.6,67 66.2,67 66.2,64 84.6,64
NetF1_2 on Top Layer "Top Layer-NetF1_2" (solid, pour order 6): 71,69.7 71,76 66.2,76 66.2,69.7
GND on Bottom Layer "Bottom Layer-GND" (solid, pour order 10): -4.3,-1.8 -4.3,81.8 cw(c-2.3,81.8) -2.3,83.8 87.3,83.8 cw(c87.3,81.8) 89.3,81.8 89.3,-1.8 cw(c87.3,-1.8) 87.3,-3.8 -2.3,-3.8 cw(c-2.3,-1.8)
+3.3 on Bottom Layer "BOT_MCU_VDD" (solid, remove dead copper, pour order 2): 30.8,43.6 30.8,49.6 36.7,49.6 36.7,43.6

## Keep-outs
Keep-Out Layer:
  the board outline again, w0.1

## Silkscreen, mask and mechanical layers (free items; w line width, h text height)
Top Overlay:
  drawing of 29 lines, arcs and shapes, not listed
  text "DRV CONTROL BOARD" at -3,33 h1.52
  text "HW REV 1.0" at -3,31 h1.52

## Text inside footprints (layer, text, board x,y; h text height)
P9: Top Overlay "14" at 40.825,55 h1.5 r180; Top Overlay "13" at 40.825,58.8 h1.5 r180; Top Overlay "2" at 51.075,55 h1.5 r180; Top Overlay "1" at 50.675,58.8 h1.5 r180